# KiCad board distribution.kicad_pcb (continued)
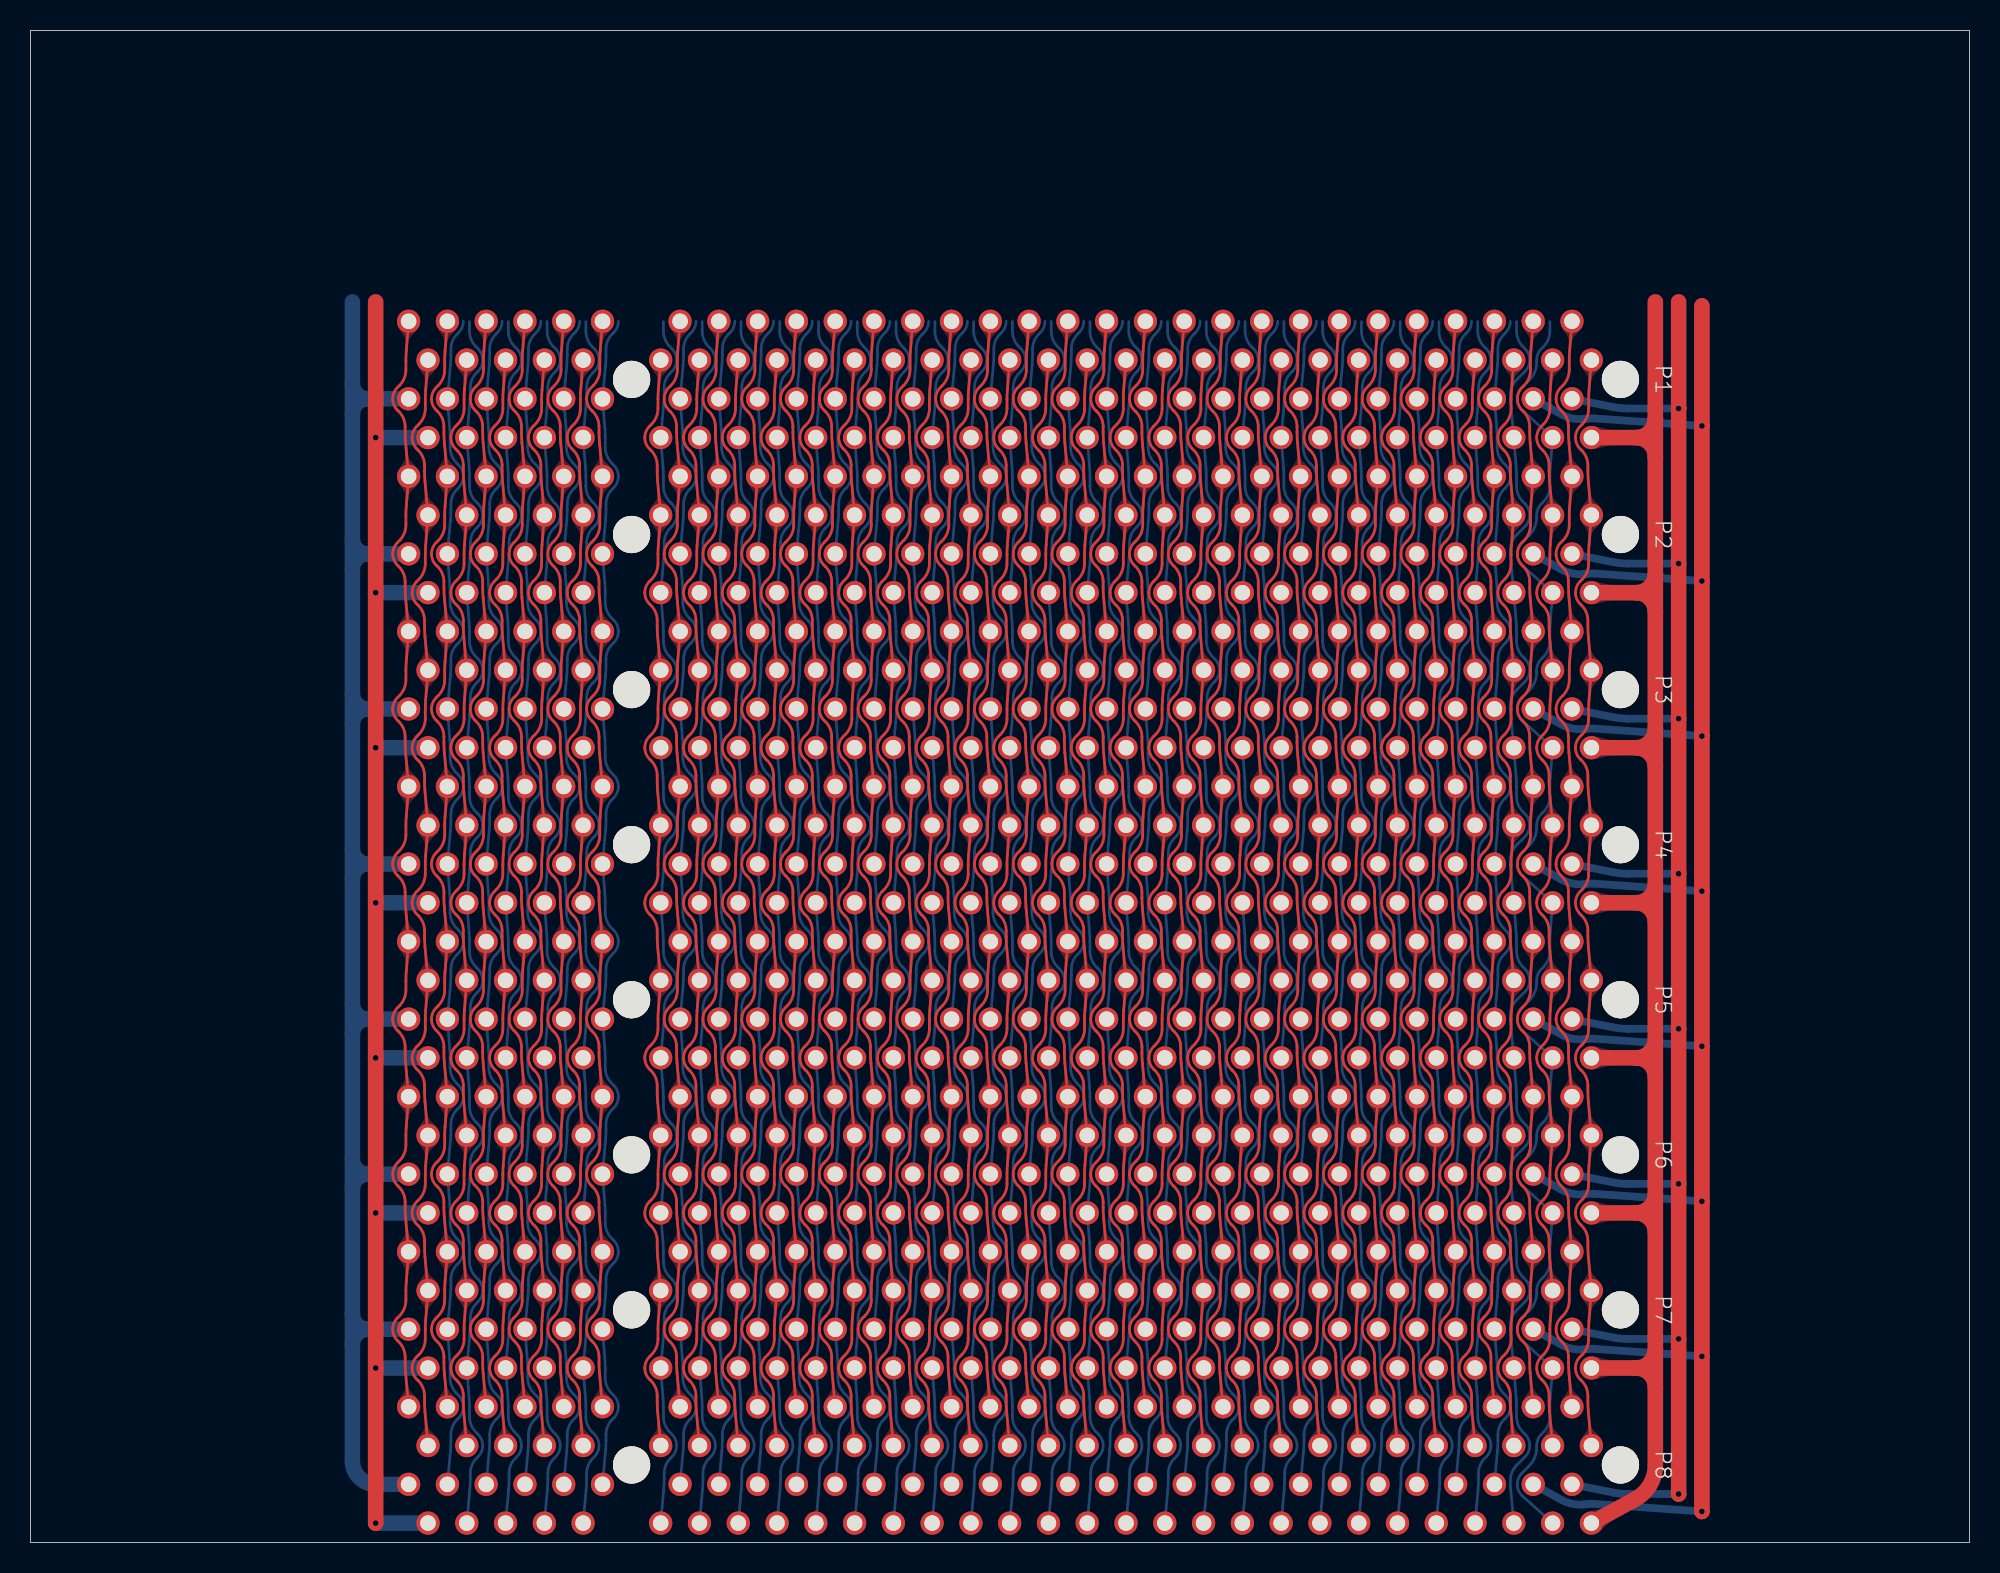
[diagram p0: board, top side]
## Routing (per net, layer and track width the routed paths; a pad name or vN(x,y) marks a point on that pad's centre or on a via; arc(x,y) is an arc through that point) (continued)
~{Fc}: length 74.6
  Top w0.178: P1.B4 98.27,78.05 arc(98.25,77.75) 98.25,77.45 98.25,76.84 arc(98.13,76.27) 97.82,75.79 97.69,75.67 arc(97.46,75.33) 97.38,74.93 arc(97.46,74.53) 97.69,74.19 97.79,74.09 arc(98.09,73.64) 98.2,73.11 98.2,72.73 arc(98.2,72.39) 98.23,72.05 P2.B4 98.27,67.89 arc(98.25,67.59) 98.25,67.29 98.25,66.68 arc(98.13,66.11) 97.82,65.63 97.69,65.51 arc(97.46,65.17) 97.38,64.77 arc(97.46,64.37) 97.69,64.03 97.79,63.93 arc(98.09,63.48) 98.2,62.95 98.2,62.57 arc(98.2,62.23) 98.23,61.89 P3.B4 98.27,57.73 arc(98.25,57.43) 98.25,57.13 98.25,56.52 arc(98.13,55.95) 97.82,55.47 97.69,55.35 arc(97.46,55.01) 97.38,54.61 arc(97.46,54.21) 97.69,53.87 97.79,53.77 arc(98.09,53.32) 98.2,52.79 98.2,52.41 arc(98.2,52.07) 98.23,51.73 P4.B4 98.27,47.57 arc(98.25,47.27) 98.25,46.97 98.25,46.36 arc(98.13,45.79) 97.82,45.31 97.69,45.19 arc(97.46,44.85) 97.38,44.45 arc(97.46,44.05) 97.69,43.71 97.79,43.61 arc(98.09,43.16) 98.2,42.63 98.2,42.25 arc(98.2,41.91) 98.23,41.57 P5.B4 98.27,37.41 arc(98.25,37.11) 98.25,36.81 98.25,36.2 arc(98.13,35.63) 97.82,35.15 97.69,35.03 arc(97.46,34.69) 97.38,34.29 arc(97.46,33.89) 97.69,33.55 97.79,33.45 arc(98.09,33) 98.2,32.47 98.2,32.09 arc(98.2,31.75) 98.23,31.41 P6.B4 98.27,27.25 arc(98.25,26.95) 98.25,26.65 98.25,26.04 arc(98.13,25.47) 97.82,24.99 97.69,24.87 arc(97.46,24.53) 97.38,24.13 arc(97.46,23.73) 97.69,23.39 97.79,23.29 arc(98.09,22.84) 98.2,22.31 98.2,21.93 arc(98.2,21.59) 98.23,21.25 P7.B4 98.27,17.09 arc(98.25,16.79) 98.25,16.49 98.25,15.88 arc(98.13,15.31) 97.82,14.83 97.69,14.71 arc(97.46,14.37) 97.38,13.97 arc(97.46,13.57) 97.69,13.23 97.79,13.13 arc(98.09,12.68) 98.2,12.15 98.2,11.77 arc(98.2,11.43) 98.23,11.09 P8.B4
~{Fd}: length 74.6
  Top w0.178: P1.B6 95.73,78.05 arc(95.71,77.75) 95.71,77.45 95.71,76.84 arc(95.59,76.27) 95.28,75.79 95.15,75.67 arc(94.92,75.33) 94.84,74.93 arc(94.92,74.53) 95.15,74.19 95.25,74.09 arc(95.55,73.64) 95.66,73.11 95.66,72.73 arc(95.66,72.39) 95.69,72.05 P2.B6 95.73,67.89 arc(95.71,67.59) 95.71,67.29 95.71,66.68 arc(95.59,66.11) 95.28,65.63 95.15,65.51 arc(94.92,65.17) 94.84,64.77 arc(94.92,64.37) 95.15,64.03 95.25,63.93 arc(95.55,63.48) 95.66,62.95 95.66,62.57 arc(95.66,62.23) 95.69,61.89 P3.B6 95.73,57.73 arc(95.71,57.43) 95.71,57.13 95.71,56.52 arc(95.59,55.95) 95.28,55.47 95.15,55.35 arc(94.92,55.01) 94.84,54.61 arc(94.92,54.21) 95.15,53.87 95.25,53.77 arc(95.55,53.32) 95.66,52.79 95.66,52.41 arc(95.66,52.07) 95.69,51.73 P4.B6 95.73,47.57 arc(95.71,47.27) 95.71,46.97 95.71,46.36 arc(95.59,45.79) 95.28,45.31 95.15,45.19 arc(94.92,44.85) 94.84,44.45 arc(94.92,44.05) 95.15,43.71 95.25,43.61 arc(95.55,43.16) 95.66,42.63 95.66,42.25 arc(95.66,41.91) 95.69,41.57 P5.B6 95.73,37.41 arc(95.71,37.11) 95.71,36.81 95.71,36.2 arc(95.59,35.63) 95.28,35.15 95.15,35.03 arc(94.92,34.69) 94.84,34.29 arc(94.92,33.89) 95.15,33.55 95.25,33.45 arc(95.55,33) 95.66,32.47 95.66,32.09 arc(95.66,31.75) 95.69,31.41 P6.B6 95.73,27.25 arc(95.71,26.95) 95.71,26.65 95.71,26.04 arc(95.59,25.47) 95.28,24.99 95.15,24.87 arc(94.92,24.53) 94.84,24.13 arc(94.92,23.73) 95.15,23.39 95.25,23.29 arc(95.55,22.84) 95.66,22.31 95.66,21.93 arc(95.66,21.59) 95.69,21.25 P7.B6 95.73,17.09 arc(95.71,16.79) 95.71,16.49 95.71,15.88 arc(95.59,15.31) 95.28,14.83 95.15,14.71 arc(94.92,14.37) 94.84,13.97 arc(94.92,13.57) 95.15,13.23 95.25,13.13 arc(95.55,12.68) 95.66,12.15 95.66,11.77 arc(95.66,11.43) 95.69,11.09 P8.B6
~{F}: length 74.6
  Top w0.178: P1.B26 70.33,78.05 arc(70.31,77.75) 70.31,77.45 70.31,76.84 arc(70.19,76.27) 69.88,75.79 69.75,75.67 arc(69.52,75.33) 69.44,74.93 arc(69.52,74.53) 69.75,74.19 69.85,74.09 arc(70.15,73.64) 70.26,73.11 70.26,72.73 arc(70.26,72.39) 70.29,72.05 P2.B26 70.33,67.89 arc(70.31,67.59) 70.31,67.29 70.31,66.68 arc(70.19,66.11) 69.88,65.63 69.75,65.51 arc(69.52,65.17) 69.44,64.77 arc(69.52,64.37) 69.75,64.03 69.85,63.93 arc(70.15,63.48) 70.26,62.95 70.26,62.57 arc(70.26,62.23) 70.29,61.89 P3.B26 70.33,57.73 arc(70.31,57.43) 70.31,57.13 70.31,56.52 arc(70.19,55.95) 69.88,55.47 69.75,55.35 arc(69.52,55.01) 69.44,54.61 arc(69.52,54.21) 69.75,53.87 69.85,53.77 arc(70.15,53.32) 70.26,52.79 70.26,52.41 arc(70.26,52.07) 70.29,51.73 P4.B26 70.33,47.57 arc(70.31,47.27) 70.31,46.97 70.31,46.36 arc(70.19,45.79) 69.88,45.31 69.75,45.19 arc(69.52,44.85) 69.44,44.45 arc(69.52,44.05) 69.75,43.71 69.85,43.61 arc(70.15,43.16) 70.26,42.63 70.26,42.25 arc(70.26,41.91) 70.29,41.57 P5.B26 70.33,37.41 arc(70.31,37.11) 70.31,36.81 70.31,36.2 arc(70.19,35.63) 69.88,35.15 69.75,35.03 arc(69.52,34.69) 69.44,34.29 arc(69.52,33.89) 69.75,33.55 69.85,33.45 arc(70.15,33) 70.26,32.47 70.26,32.09 arc(70.26,31.75) 70.29,31.41 P6.B26 70.33,27.25 arc(70.31,26.95) 70.31,26.65 70.31,26.04 arc(70.19,25.47) 69.88,24.99 69.75,24.87 arc(69.52,24.53) 69.44,24.13 arc(69.52,23.73) 69.75,23.39 69.85,23.29 arc(70.15,22.84) 70.26,22.31 70.26,21.93 arc(70.26,21.59) 70.29,21.25 P7.B26 70.33,17.09 arc(70.31,16.79) 70.31,16.49 70.31,15.88 arc(70.19,15.31) 69.88,14.83 69.75,14.71 arc(69.52,14.37) 69.44,13.97 arc(69.52,13.57) 69.75,13.23 69.85,13.13 arc(70.15,12.68) 70.26,12.15 70.26,11.77 arc(70.26,11.43) 70.29,11.09 P8.B26
~{Gc}: length 74.6
  Top w0.178: 92.08,77.47 91.92,75.51 arc(91.9,75.21) 91.9,74.91 91.9,74.3 arc(91.78,73.73) 91.47,73.25 91.34,73.13 arc(91.11,72.79) 91.03,72.39 arc(91.11,71.99) 91.34,71.65 91.44,71.55 arc(91.74,71.1) 91.85,70.57 91.85,70.19 arc(91.85,69.85) 91.88,69.51 92.08,67.31 91.92,65.35 arc(91.9,65.05) 91.9,64.75 91.9,64.14 arc(91.78,63.57) 91.47,63.09 91.34,62.97 arc(91.11,62.63) 91.03,62.23 arc(91.11,61.83) 91.34,61.49 91.44,61.39 arc(91.74,60.94) 91.85,60.41 91.85,60.03 arc(91.85,59.69) 91.88,59.35 92.08,57.15 91.92,55.19 arc(91.9,54.89) 91.9,54.59 91.9,53.98 arc(91.78,53.41) 91.47,52.93 91.34,52.81 arc(91.11,52.47) 91.03,52.07 arc(91.11,51.67) 91.34,51.33 91.44,51.23 arc(91.74,50.78) 91.85,50.25 91.85,49.87 arc(91.85,49.53) 91.88,49.19 92.08,46.99 91.92,45.03 arc(91.9,44.73) 91.9,44.43 91.9,43.82 arc(91.78,43.25) 91.47,42.77 91.34,42.65 arc(91.11,42.31) 91.03,41.91 arc(91.11,41.51) 91.34,41.17 91.44,41.07 arc(91.74,40.62) 91.85,40.09 91.85,39.71 arc(91.85,39.37) 91.88,39.03 92.08,36.83 91.92,34.87 arc(91.9,34.57) 91.9,34.27 91.9,33.66 arc(91.78,33.09) 91.47,32.61 91.34,32.49 arc(91.11,32.15) 91.03,31.75 arc(91.11,31.35) 91.34,31.01 91.44,30.91 arc(91.74,30.46) 91.85,29.93 91.85,29.55 arc(91.85,29.21) 91.88,28.87 92.08,26.67 91.92,24.71 arc(91.9,24.41) 91.9,24.11 91.9,23.5 arc(91.78,22.93) 91.47,22.45 91.34,22.33 arc(91.11,21.99) 91.03,21.59 arc(91.11,21.19) 91.34,20.85 91.44,20.75 arc(91.74,20.3) 91.85,19.77 91.85,19.39 arc(91.85,19.05) 91.88,18.71 92.08,16.51 91.92,14.55 arc(91.9,14.25) 91.9,13.95 91.9,13.34 arc(91.78,12.77) 91.47,12.29 91.34,12.17 arc(91.11,11.83) 91.03,11.43 arc(91.11,11.03) 91.34,10.69 91.44,10.59 arc(91.74,10.14) 91.85,9.61 91.85,9.23 arc(91.85,8.89) 91.88,8.55 92.08,6.35
~{Gd}: length 74.6
  Top w0.178: 89.54,77.47 89.38,75.51 arc(89.36,75.21) 89.36,74.91 89.36,74.3 arc(89.24,73.73) 88.93,73.25 88.8,73.13 arc(88.57,72.79) 88.49,72.39 arc(88.57,71.99) 88.8,71.65 88.9,71.55 arc(89.2,71.1) 89.31,70.57 89.31,70.19 arc(89.31,69.85) 89.34,69.51 89.54,67.31 89.38,65.35 arc(89.36,65.05) 89.36,64.75 89.36,64.14 arc(89.24,63.57) 88.93,63.09 88.8,62.97 arc(88.57,62.63) 88.49,62.23 arc(88.57,61.83) 88.8,61.49 88.9,61.39 arc(89.2,60.94) 89.31,60.41 89.31,60.03 arc(89.31,59.69) 89.34,59.35 89.54,57.15 89.38,55.19 arc(89.36,54.89) 89.36,54.59 89.36,53.98 arc(89.24,53.41) 88.93,52.93 88.8,52.81 arc(88.57,52.47) 88.49,52.07 arc(88.57,51.67) 88.8,51.33 88.9,51.23 arc(89.2,50.78) 89.31,50.25 89.31,49.87 arc(89.31,49.53) 89.34,49.19 89.54,46.99 89.38,45.03 arc(89.36,44.73) 89.36,44.43 89.36,43.82 arc(89.24,43.25) 88.93,42.77 88.8,42.65 arc(88.57,42.31) 88.49,41.91 arc(88.57,41.51) 88.8,41.17 88.9,41.07 arc(89.2,40.62) 89.31,40.09 89.31,39.71 arc(89.31,39.37) 89.34,39.03 89.54,36.83 89.38,34.87 arc(89.36,34.57) 89.36,34.27 89.36,33.66 arc(89.24,33.09) 88.93,32.61 88.8,32.49 arc(88.57,32.15) 88.49,31.75 arc(88.57,31.35) 88.8,31.01 88.9,30.91 arc(89.2,30.46) 89.31,29.93 89.31,29.55 arc(89.31,29.21) 89.34,28.87 89.54,26.67 89.38,24.71 arc(89.36,24.41) 89.36,24.11 89.36,23.5 arc(89.24,22.93) 88.93,22.45 88.8,22.33 arc(88.57,21.99) 88.49,21.59 arc(88.57,21.19) 88.8,20.85 88.9,20.75 arc(89.2,20.3) 89.31,19.77 89.31,19.39 arc(89.31,19.05) 89.34,18.71 89.54,16.51 89.38,14.55 arc(89.36,14.25) 89.36,13.95 89.36,13.34 arc(89.24,12.77) 88.93,12.29 88.8,12.17 arc(88.57,11.83) 88.49,11.43 arc(88.57,11.03) 88.8,10.69 88.9,10.59 arc(89.2,10.14) 89.31,9.61 89.31,9.23 arc(89.31,8.89) 89.34,8.55 89.54,6.35
~{G}: length 82.7
  Bottom w0.178: 94.79,79.99 94.79,79.38 arc(94.91,78.81) 95.22,78.33 95.35,78.21 arc(95.58,77.87) 95.66,77.47 arc(95.58,77.07) 95.35,76.73 95.25,76.63 arc(94.95,76.18) 94.84,75.65 94.84,75.27 arc(94.84,74.93) 94.81,74.59 P1.A7 94.77,70.43 arc(94.79,70.13) 94.79,69.83 94.79,69.22 arc(94.91,68.65) 95.22,68.17 95.35,68.05 arc(95.58,67.71) 95.66,67.31 arc(95.58,66.91) 95.35,66.57 95.25,66.47 arc(94.95,66.02) 94.84,65.49 94.84,65.11 arc(94.84,64.77) 94.81,64.43 P2.A7 94.77,60.27 arc(94.79,59.97) 94.79,59.67 94.79,59.06 arc(94.91,58.49) 95.22,58.01 95.35,57.89 arc(95.58,57.55) 95.66,57.15 arc(95.58,56.75) 95.35,56.41 95.25,56.31 arc(94.95,55.86) 94.84,55.33 94.84,54.95 arc(94.84,54.61) 94.81,54.27 P3.A7 94.77,50.11 arc(94.79,49.81) 94.79,49.51 94.79,48.9 arc(94.91,48.33) 95.22,47.85 95.35,47.73 arc(95.58,47.39) 95.66,46.99 arc(95.58,46.59) 95.35,46.25 95.25,46.15 arc(94.95,45.7) 94.84,45.17 94.84,44.79 arc(94.84,44.45) 94.81,44.11 P4.A7 94.77,39.95 arc(94.79,39.65) 94.79,39.35 94.79,38.74 arc(94.91,38.17) 95.22,37.69 95.35,37.57 arc(95.58,37.23) 95.66,36.83 arc(95.58,36.43) 95.35,36.09 95.25,35.99 arc(94.95,35.54) 94.84,35.01 94.84,34.63 arc(94.84,34.29) 94.81,33.95 P5.A7 94.77,29.79 arc(94.79,29.49) 94.79,29.19 94.79,28.58 arc(94.91,28.01) 95.22,27.53 95.35,27.41 arc(95.58,27.07) 95.66,26.67 arc(95.58,26.27) 95.35,25.93 95.25,25.83 arc(94.95,25.38) 94.84,24.85 94.84,24.47 arc(94.84,24.13) 94.81,23.79 P6.A7 94.77,19.63 arc(94.79,19.33) 94.79,19.03 94.79,18.42 arc(94.91,17.85) 95.22,17.37 95.35,17.25 arc(95.58,16.91) 95.66,16.51 arc(95.58,16.11) 95.35,15.77 95.25,15.67 arc(94.95,15.22) 94.84,14.69 94.84,14.31 arc(94.84,13.97) 94.81,13.63 P7.A7 94.77,9.47 arc(94.79,9.17) 94.79,8.87 94.79,8.26 arc(94.91,7.69) 95.22,7.21 95.35,7.09 arc(95.58,6.75) 95.66,6.35 arc(95.58,5.95) 95.35,5.61 95.25,5.51 arc(94.95,5.06) 94.84,4.53 94.84,4.15 arc(94.84,3.81) 94.81,3.47 P8.A7
~{H'}: length 74.6
  Top w0.178: P1.B46 44.93,78.05 arc(44.91,77.75) 44.91,77.45 44.91,76.84 arc(44.79,76.27) 44.48,75.79 44.35,75.67 arc(44.12,75.33) 44.04,74.93 arc(44.12,74.53) 44.35,74.19 44.45,74.09 arc(44.75,73.64) 44.86,73.11 44.86,72.73 arc(44.86,72.39) 44.89,72.05 P2.B46 44.93,67.89 arc(44.91,67.59) 44.91,67.29 44.91,66.68 arc(44.79,66.11) 44.48,65.63 44.35,65.51 arc(44.12,65.17) 44.04,64.77 arc(44.12,64.37) 44.35,64.03 44.45,63.93 arc(44.75,63.48) 44.86,62.95 44.86,62.57 arc(44.86,62.23) 44.89,61.89 P3.B46 44.93,57.73 arc(44.91,57.43) 44.91,57.13 44.91,56.52 arc(44.79,55.95) 44.48,55.47 44.35,55.35 arc(44.12,55.01) 44.04,54.61 arc(44.12,54.21) 44.35,53.87 44.45,53.77 arc(44.75,53.32) 44.86,52.79 44.86,52.41 arc(44.86,52.07) 44.89,51.73 P4.B46 44.93,47.57 arc(44.91,47.27) 44.91,46.97 44.91,46.36 arc(44.79,45.79) 44.48,45.31 44.35,45.19 arc(44.12,44.85) 44.04,44.45 arc(44.12,44.05) 44.35,43.71 44.45,43.61 arc(44.75,43.16) 44.86,42.63 44.86,42.25 arc(44.86,41.91) 44.89,41.57 P5.B46 44.93,37.41 arc(44.91,37.11) 44.91,36.81 44.91,36.2 arc(44.79,35.63) 44.48,35.15 44.35,35.03 arc(44.12,34.69) 44.04,34.29 arc(44.12,33.89) 44.35,33.55 44.45,33.45 arc(44.75,33) 44.86,32.47 44.86,32.09 arc(44.86,31.75) 44.89,31.41 P6.B46 44.93,27.25 arc(44.91,26.95) 44.91,26.65 44.91,26.04 arc(44.79,25.47) 44.48,24.99 44.35,24.87 arc(44.12,24.53) 44.04,24.13 arc(44.12,23.73) 44.35,23.39 44.45,23.29 arc(44.75,22.84) 44.86,22.31 44.86,21.93 arc(44.86,21.59) 44.89,21.25 P7.B46 44.93,17.09 arc(44.91,16.79) 44.91,16.49 44.91,15.88 arc(44.79,15.31) 44.48,14.83 44.35,14.71 arc(44.12,14.37) 44.04,13.97 arc(44.12,13.57) 44.35,13.23 44.45,13.13 arc(44.75,12.68) 44.86,12.15 44.86,11.77 arc(44.86,11.43) 44.89,11.09 P8.B46
~{H}: length 82.7
  Bottom w0.178: 43.99,79.99 43.99,79.38 arc(44.11,78.81) 44.42,78.33 44.55,78.21 arc(44.78,77.87) 44.86,77.47 arc(44.78,77.07) 44.55,76.73 44.45,76.63 arc(44.15,76.18) 44.04,75.65 44.04,75.27 arc(44.04,74.93) 44.01,74.59 43.81,72.39 43.97,70.43 arc(43.99,70.13) 43.99,69.83 43.99,69.22 arc(44.11,68.65) 44.42,68.17 44.55,68.05 arc(44.78,67.71) 44.86,67.31 arc(44.78,66.91) 44.55,66.57 44.45,66.47 arc(44.15,66.02) 44.04,65.49 44.04,65.11 arc(44.04,64.77) 44.01,64.43 43.81,62.23 43.97,60.27 arc(43.99,59.97) 43.99,59.67 43.99,59.06 arc(44.11,58.49) 44.42,58.01 44.55,57.89 arc(44.78,57.55) 44.86,57.15 arc(44.78,56.75) 44.55,56.41 44.45,56.31 arc(44.15,55.86) 44.04,55.33 44.04,54.95 arc(44.04,54.61) 44.01,54.27 43.81,52.07 43.97,50.11 arc(43.99,49.81) 43.99,49.51 43.99,48.9 arc(44.11,48.33) 44.42,47.85 44.55,47.73 arc(44.78,47.39) 44.86,46.99 arc(44.78,46.59) 44.55,46.25 44.45,46.15 arc(44.15,45.7) 44.04,45.17 44.04,44.79 arc(44.04,44.45) 44.01,44.11 43.81,41.91 43.97,39.95 arc(43.99,39.65) 43.99,39.35 43.99,38.74 arc(44.11,38.17) 44.42,37.69 44.55,37.57 arc(44.78,37.23) 44.86,36.83 arc(44.78,36.43) 44.55,36.09 44.45,35.99 arc(44.15,35.54) 44.04,35.01 44.04,34.63 arc(44.04,34.29) 44.01,33.95 43.81,31.75 43.97,29.79 arc(43.99,29.49) 43.99,29.19 43.99,28.58 arc(44.11,28.01) 44.42,27.53 44.55,27.41 arc(44.78,27.07) 44.86,26.67 arc(44.78,26.27) 44.55,25.93 44.45,25.83 arc(44.15,25.38) 44.04,24.85 44.04,24.47 arc(44.04,24.13) 44.01,23.79 43.81,21.59 43.97,19.63 arc(43.99,19.33) 43.99,19.03 43.99,18.42 arc(44.11,17.85) 44.42,17.37 44.55,17.25 arc(44.78,16.91) 44.86,16.51 arc(44.78,16.11) 44.55,15.77 44.45,15.67 arc(44.15,15.22) 44.04,14.69 44.04,14.31 arc(44.04,13.97) 44.01,13.63 43.81,11.43 43.97,9.47 arc(43.99,9.17) 43.99,8.87 43.99,8.26 arc(44.11,7.69) 44.42,7.21 44.55,7.09 arc(44.78,6.75) 44.86,6.35 arc(44.78,5.95) 44.55,5.61 44.45,5.51 arc(44.15,5.06) 44.04,4.53 44.04,4.15 arc(44.04,3.81) 44.01,3.47 43.81,1.27
~{ic}: length 82.7
  Bottom w0.178: 61.77,79.99 61.77,79.38 arc(61.89,78.81) 62.2,78.33 62.33,78.21 arc(62.56,77.87) 62.64,77.47 arc(62.56,77.07) 62.33,76.73 62.23,76.63 arc(61.93,76.18) 61.82,75.65 61.82,75.27 arc(61.82,74.93) 61.79,74.59 P1.A33 61.75,70.43 arc(61.77,70.13) 61.77,69.83 61.77,69.22 arc(61.89,68.65) 62.2,68.17 62.33,68.05 arc(62.56,67.71) 62.64,67.31 arc(62.56,66.91) 62.33,66.57 62.23,66.47 arc(61.93,66.02) 61.82,65.49 61.82,65.11 arc(61.82,64.77) 61.79,64.43 P2.A33 61.75,60.27 arc(61.77,59.97) 61.77,59.67 61.77,59.06 arc(61.89,58.49) 62.2,58.01 62.33,57.89 arc(62.56,57.55) 62.64,57.15 arc(62.56,56.75) 62.33,56.41 62.23,56.31 arc(61.93,55.86) 61.82,55.33 61.82,54.95 arc(61.82,54.61) 61.79,54.27 P3.A33 61.75,50.11 arc(61.77,49.81) 61.77,49.51 61.77,48.9 arc(61.89,48.33) 62.2,47.85 62.33,47.73 arc(62.56,47.39) 62.64,46.99 arc(62.56,46.59) 62.33,46.25 62.23,46.15 arc(61.93,45.7) 61.82,45.17 61.82,44.79 arc(61.82,44.45) 61.79,44.11 P4.A33 61.75,39.95 arc(61.77,39.65) 61.77,39.35 61.77,38.74 arc(61.89,38.17) 62.2,37.69 62.33,37.57 arc(62.56,37.23) 62.64,36.83 arc(62.56,36.43) 62.33,36.09 62.23,35.99 arc(61.93,35.54) 61.82,35.01 61.82,34.63 arc(61.82,34.29) 61.79,33.95 P5.A33 61.75,29.79 arc(61.77,29.49) 61.77,29.19 61.77,28.58 arc(61.89,28.01) 62.2,27.53 62.33,27.41 arc(62.56,27.07) 62.64,26.67 arc(62.56,26.27) 62.33,25.93 62.23,25.83 arc(61.93,25.38) 61.82,24.85 61.82,24.47 arc(61.82,24.13) 61.79,23.79 P6.A33 61.75,19.63 arc(61.77,19.33) 61.77,19.03 61.77,18.42 arc(61.89,17.85) 62.2,17.37 62.33,17.25 arc(62.56,16.91) 62.64,16.51 arc(62.56,16.11) 62.33,15.77 62.23,15.67 arc(61.93,15.22) 61.82,14.69 61.82,14.31 arc(61.82,13.97) 61.79,13.63 P7.A33 61.75,9.47 arc(61.77,9.17) 61.77,8.87 61.77,8.26 arc(61.89,7.69) 62.2,7.21 62.33,7.09 arc(62.56,6.75) 62.64,6.35 arc(62.56,5.95) 62.33,5.61 62.23,5.51 arc(61.93,5.06) 61.82,4.53 61.82,4.15 arc(61.82,3.81) 61.79,3.47 P8.A33
~{K}: length 74.6
  Top w0.178: P1.B35 58.9,75.51 arc(58.88,75.21) 58.88,74.91 58.88,74.3 arc(58.76,73.73) 58.45,73.25 58.32,73.13 arc(58.09,72.79) 58.01,72.39 arc(58.09,71.99) 58.32,71.65 58.42,71.55 arc(58.72,71.1) 58.83,70.57 58.83,70.19 arc(58.83,69.85) 58.86,69.51 P2.B35 58.9,65.35 arc(58.88,65.05) 58.88,64.75 58.88,64.14 arc(58.76,63.57) 58.45,63.09 58.32,62.97 arc(58.09,62.63) 58.01,62.23 arc(58.09,61.83) 58.32,61.49 58.42,61.39 arc(58.72,60.94) 58.83,60.41 58.83,60.03 arc(58.83,59.69) 58.86,59.35 P3.B35 58.9,55.19 arc(58.88,54.89) 58.88,54.59 58.88,53.98 arc(58.76,53.41) 58.45,52.93 58.32,52.81 arc(58.09,52.47) 58.01,52.07 arc(58.09,51.67) 58.32,51.33 58.42,51.23 arc(58.72,50.78) 58.83,50.25 58.83,49.87 arc(58.83,49.53) 58.86,49.19 P4.B35 58.9,45.03 arc(58.88,44.73) 58.88,44.43 58.88,43.82 arc(58.76,43.25) 58.45,42.77 58.32,42.65 arc(58.09,42.31) 58.01,41.91 arc(58.09,41.51) 58.32,41.17 58.42,41.07 arc(58.72,40.62) 58.83,40.09 58.83,39.71 arc(58.83,39.37) 58.86,39.03 P5.B35 58.9,34.87 arc(58.88,34.57) 58.88,34.27 58.88,33.66 arc(58.76,33.09) 58.45,32.61 58.32,32.49 arc(58.09,32.15) 58.01,31.75 arc(58.09,31.35) 58.32,31.01 58.42,30.91 arc(58.72,30.46) 58.83,29.93 58.83,29.55 arc(58.83,29.21) 58.86,28.87 P6.B35 58.9,24.71 arc(58.88,24.41) 58.88,24.11 58.88,23.5 arc(58.76,22.93) 58.45,22.45 58.32,22.33 arc(58.09,21.99) 58.01,21.59 arc(58.09,21.19) 58.32,20.85 58.42,20.75 arc(58.72,20.3) 58.83,19.77 58.83,19.39 arc(58.83,19.05) 58.86,18.71 P7.B35 58.9,14.55 arc(58.88,14.25) 58.88,13.95 58.88,13.34 arc(58.76,12.77) 58.45,12.29 58.32,12.17 arc(58.09,11.83) 58.01,11.43 arc(58.09,11.03) 58.32,10.69 58.42,10.59 arc(58.72,10.14) 58.83,9.61 58.83,9.23 arc(58.83,8.89) 58.86,8.55 P8.B35
~{L}: length 74.6
  Top w0.178: P1.B57 30.96,75.51 arc(30.94,75.21) 30.94,74.91 30.94,74.3 arc(30.82,73.73) 30.51,73.25 30.38,73.13 arc(30.15,72.79) 30.07,72.39 arc(30.15,71.99) 30.38,71.65 30.48,71.55 arc(30.78,71.1) 30.89,70.57 30.89,70.19 arc(30.89,69.85) 30.92,69.51 P2.B57 30.96,65.35 arc(30.94,65.05) 30.94,64.75 30.94,64.14 arc(30.82,63.57) 30.51,63.09 30.38,62.97 arc(30.15,62.63) 30.07,62.23 arc(30.15,61.83) 30.38,61.49 30.48,61.39 arc(30.78,60.94) 30.89,60.41 30.89,60.03 arc(30.89,59.69) 30.92,59.35 P3.B57 30.96,55.19 arc(30.94,54.89) 30.94,54.59 30.94,53.98 arc(30.82,53.41) 30.51,52.93 30.38,52.81 arc(30.15,52.47) 30.07,52.07 arc(30.15,51.67) 30.38,51.33 30.48,51.23 arc(30.78,50.78) 30.89,50.25 30.89,49.87 arc(30.89,49.53) 30.92,49.19 P4.B57 30.96,45.03 arc(30.94,44.73) 30.94,44.43 30.94,43.82 arc(30.82,43.25) 30.51,42.77 30.38,42.65 arc(30.15,42.31) 30.07,41.91 arc(30.15,41.51) 30.38,41.17 30.48,41.07 arc(30.78,40.62) 30.89,40.09 30.89,39.71 arc(30.89,39.37) 30.92,39.03 P5.B57 30.96,34.87 arc(30.94,34.57) 30.94,34.27 30.94,33.66 arc(30.82,33.09) 30.51,32.61 30.38,32.49 arc(30.15,32.15) 30.07,31.75 arc(30.15,31.35) 30.38,31.01 30.48,30.91 arc(30.78,30.46) 30.89,29.93 30.89,29.55 arc(30.89,29.21) 30.92,28.87 P6.B57 30.96,24.71 arc(30.94,24.41) 30.94,24.11 30.94,23.5 arc(30.82,22.93) 30.51,22.45 30.38,22.33 arc(30.15,21.99) 30.07,21.59 arc(30.15,21.19) 30.38,20.85 30.48,20.75 arc(30.78,20.3) 30.89,19.77 30.89,19.39 arc(30.89,19.05) 30.92,18.71 P7.B57 30.96,14.55 arc(30.94,14.25) 30.94,13.95 30.94,13.34 arc(30.82,12.77) 30.51,12.29 30.38,12.17 arc(30.15,11.83) 30.07,11.43 arc(30.15,11.03) 30.38,10.69 30.48,10.59 arc(30.78,10.14) 30.89,9.61 30.89,9.23 arc(30.89,8.89) 30.92,8.55 P8.B57
~{O1}: length 82.7
  Bottom w0.178: 51.61,79.99 51.61,79.38 arc(51.73,78.81) 52.04,78.33 52.17,78.21 arc(52.4,77.87) 52.48,77.47 arc(52.4,77.07) 52.17,76.73 52.07,76.63 arc(51.77,76.18) 51.66,75.65 51.66,75.27 arc(51.66,74.93) 51.63,74.59 51.44,72.39 51.59,70.43 arc(51.61,70.13) 51.61,69.83 51.61,69.22 arc(51.73,68.65) 52.04,68.17 52.17,68.05 arc(52.4,67.71) 52.48,67.31 arc(52.4,66.91) 52.17,66.57 52.07,66.47 arc(51.77,66.02) 51.66,65.49 51.66,65.11 arc(51.66,64.77) 51.63,64.43 51.44,62.23 51.59,60.27 arc(51.61,59.97) 51.61,59.67 51.61,59.06 arc(51.73,58.49) 52.04,58.01 52.17,57.89 arc(52.4,57.55) 52.48,57.15 arc(52.4,56.75) 52.17,56.41 52.07,56.31 arc(51.77,55.86) 51.66,55.33 51.66,54.95 arc(51.66,54.61) 51.63,54.27 51.44,52.07 51.59,50.11 arc(51.61,49.81) 51.61,49.51 51.61,48.9 arc(51.73,48.33) 52.04,47.85 52.17,47.73 arc(52.4,47.39) 52.48,46.99 arc(52.4,46.59) 52.17,46.25 52.07,46.15 arc(51.77,45.7) 51.66,45.17 51.66,44.79 arc(51.66,44.45) 51.63,44.11 51.44,41.91 51.59,39.95 arc(51.61,39.65) 51.61,39.35 51.61,38.74 arc(51.73,38.17) 52.04,37.69 52.17,37.57 arc(52.4,37.23) 52.48,36.83 arc(52.4,36.43) 52.17,36.09 52.07,35.99 arc(51.77,35.54) 51.66,35.01 51.66,34.63 arc(51.66,34.29) 51.63,33.95 51.44,31.75 51.59,29.79 arc(51.61,29.49) 51.61,29.19 51.61,28.58 arc(51.73,28.01) 52.04,27.53 52.17,27.41 arc(52.4,27.07) 52.48,26.67 arc(52.4,26.27) 52.17,25.93 52.07,25.83 arc(51.77,25.38) 51.66,24.85 51.66,24.47 arc(51.66,24.13) 51.63,23.79 51.44,21.59 51.59,19.63 arc(51.61,19.33) 51.61,19.03 51.61,18.42 arc(51.73,17.85) 52.04,17.37 52.17,17.25 arc(52.4,16.91) 52.48,16.51 arc(52.4,16.11) 52.17,15.77 52.07,15.67 arc(51.77,15.22) 51.66,14.69 51.66,14.31 arc(51.66,13.97) 51.63,13.63 51.44,11.43 51.59,9.47 arc(51.61,9.17) 51.61,8.87 51.61,8.26 arc(51.73,7.69) 52.04,7.21 52.17,7.09 arc(52.4,6.75) 52.48,6.35 arc(52.4,5.95) 52.17,5.61 52.07,5.51 arc(51.77,5.06) 51.66,4.53 51.66,4.15 arc(51.66,3.81) 51.63,3.47 51.44,1.27
~{P1c}: length 82.7
  Bottom w0.178: 92.25,79.99 92.25,79.38 arc(92.37,78.81) 92.68,78.33 92.81,78.21 arc(93.04,77.87) 93.12,77.47 arc(93.04,77.07) 92.81,76.73 92.71,76.63 arc(92.41,76.18) 92.3,75.65 92.3,75.27 arc(92.3,74.93) 92.27,74.59 92.08,72.39 92.23,70.43 arc(92.25,70.13) 92.25,69.83 92.25,69.22 arc(92.37,68.65) 92.68,68.17 92.81,68.05 arc(93.04,67.71) 93.12,67.31 arc(93.04,66.91) 92.81,66.57 92.71,66.47 arc(92.41,66.02) 92.3,65.49 92.3,65.11 arc(92.3,64.77) 92.27,64.43 92.08,62.23 92.23,60.27 arc(92.25,59.97) 92.25,59.67 92.25,59.06 arc(92.37,58.49) 92.68,58.01 92.81,57.89 arc(93.04,57.55) 93.12,57.15 arc(93.04,56.75) 92.81,56.41 92.71,56.31 arc(92.41,55.86) 92.3,55.33 92.3,54.95 arc(92.3,54.61) 92.27,54.27 92.08,52.07 92.23,50.11 arc(92.25,49.81) 92.25,49.51 92.25,48.9 arc(92.37,48.33) 92.68,47.85 92.81,47.73 arc(93.04,47.39) 93.12,46.99 arc(93.04,46.59) 92.81,46.25 92.71,46.15 arc(92.41,45.7) 92.3,45.17 92.3,44.79 arc(92.3,44.45) 92.27,44.11 92.08,41.91 92.23,39.95 arc(92.25,39.65) 92.25,39.35 92.25,38.74 arc(92.37,38.17) 92.68,37.69 92.81,37.57 arc(93.04,37.23) 93.12,36.83 arc(93.04,36.43) 92.81,36.09 92.71,35.99 arc(92.41,35.54) 92.3,35.01 92.3,34.63 arc(92.3,34.29) 92.27,33.95 92.08,31.75 92.23,29.79 arc(92.25,29.49) 92.25,29.19 92.25,28.58 arc(92.37,28.01) 92.68,27.53 92.81,27.41 arc(93.04,27.07) 93.12,26.67 arc(93.04,26.27) 92.81,25.93 92.71,25.83 arc(92.41,25.38) 92.3,24.85 92.3,24.47 arc(92.3,24.13) 92.27,23.79 92.08,21.59 92.23,19.63 arc(92.25,19.33) 92.25,19.03 92.25,18.42 arc(92.37,17.85) 92.68,17.37 92.81,17.25 arc(93.04,16.91) 93.12,16.51 arc(93.04,16.11) 92.81,15.77 92.71,15.67 arc(92.41,15.22) 92.3,14.69 92.3,14.31 arc(92.3,13.97) 92.27,13.63 92.08,11.43 92.23,9.47 arc(92.25,9.17) 92.25,8.87 92.25,8.26 arc(92.37,7.69) 92.68,7.21 92.81,7.09 arc(93.04,6.75) 93.12,6.35 arc(93.04,5.95) 92.81,5.61 92.71,5.51 arc(92.41,5.06) 92.3,4.53 92.3,4.15 arc(92.3,3.81) 92.27,3.47 92.08,1.27
